# Altium PCB Fri3D_2020_02.PcbDoc (part 2 of 3)
Units mm, origin at the board's own origin, x right, y up, seen from the top; angles counter-clockwise.
Board outline 134.73 x 117.95 mm, 2 copper layers (Top Layer, Bottom Layer), stack 1.571 mm thick; 118 components, 89 nets, 476 pads, 207 vias.
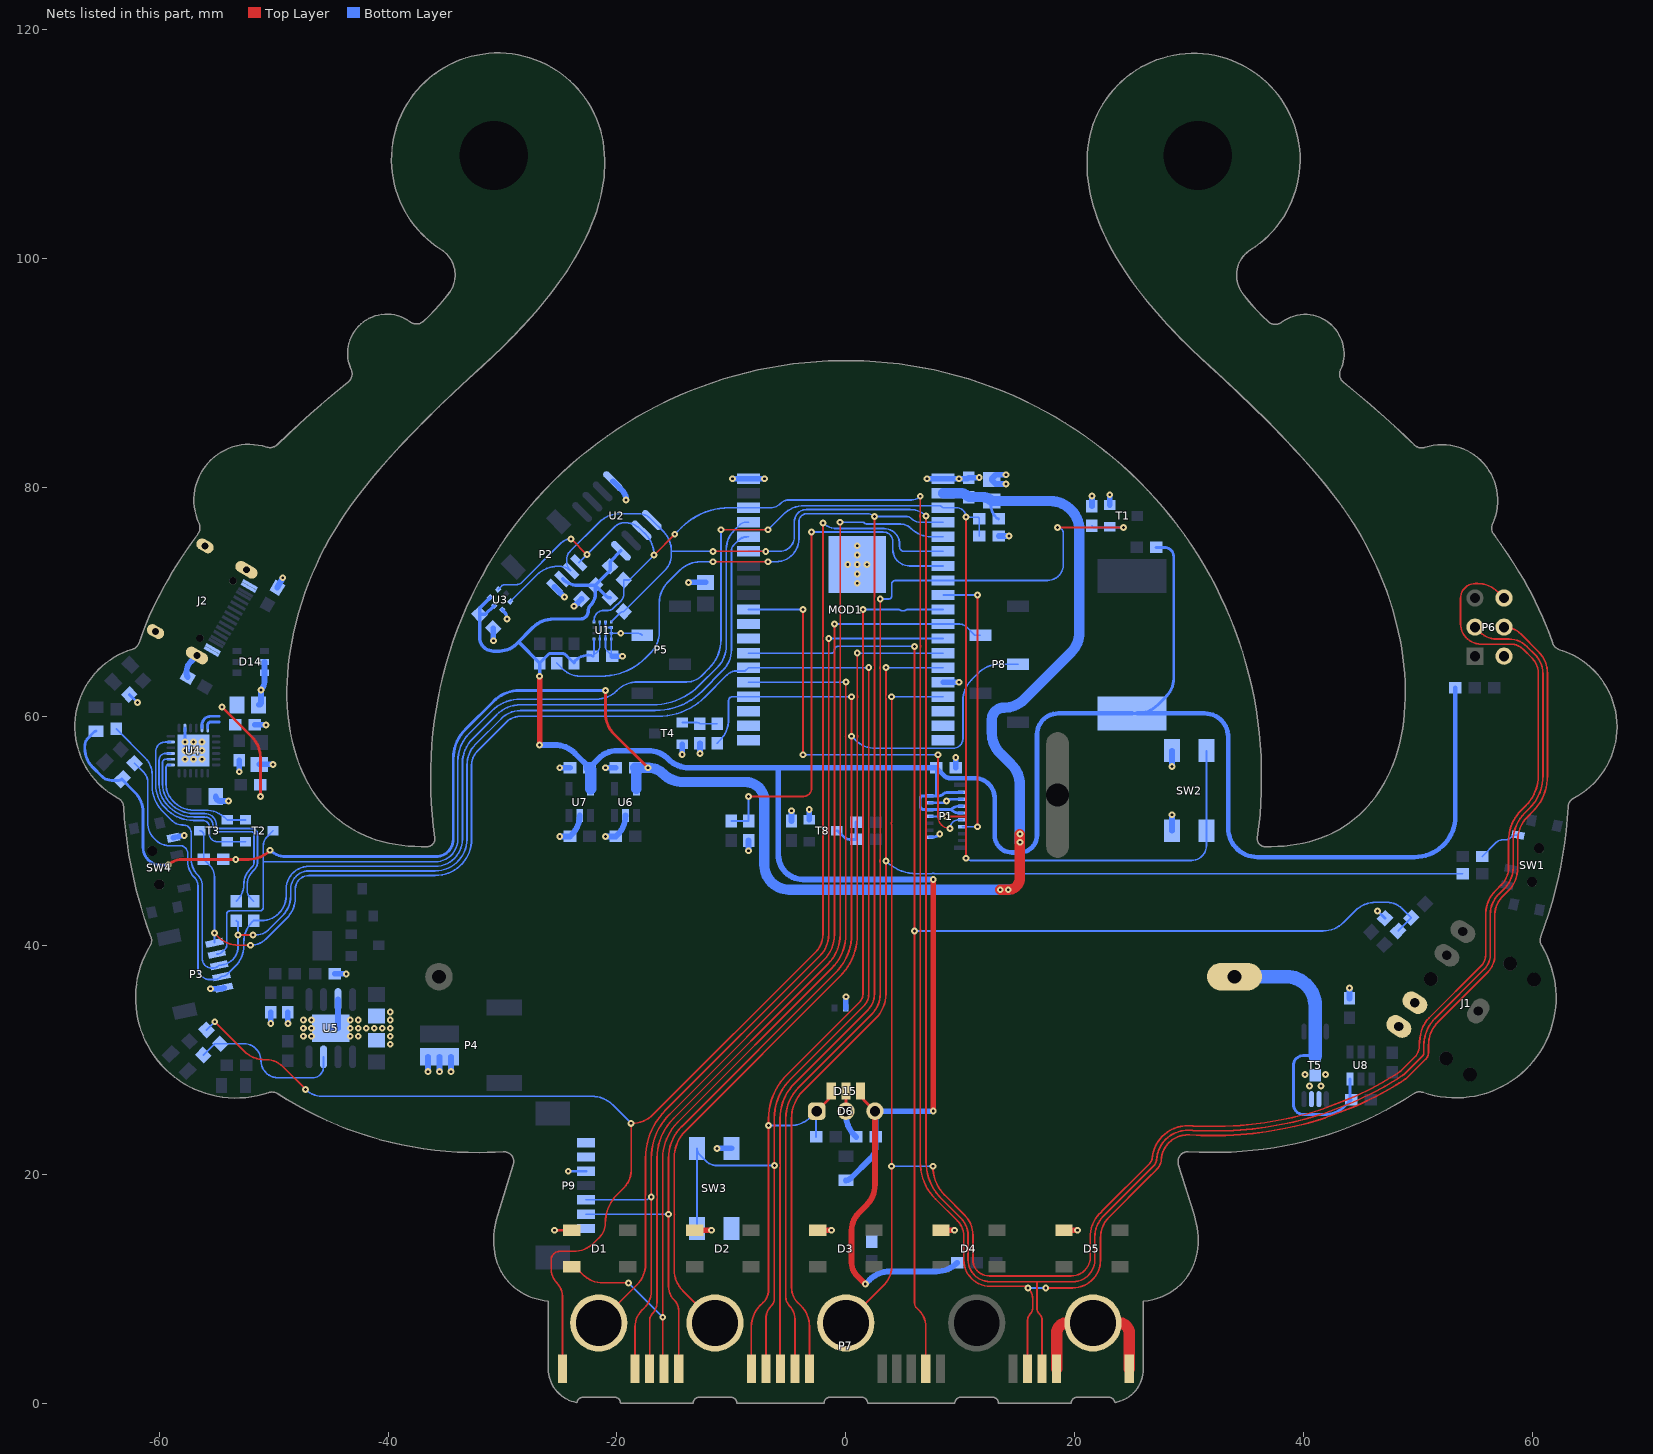
[diagram p2: the nets of this part, all layers, seen from the top]

## Via types
v1: diameter 0.6, hole 0.25, Top Layer to Bottom Layer, tented top, 207 vias

## Nets (pads, with @x,y where several pads share a name; then routed paths per layer and width w, separated by ;. In a path a pad name is that pad's centre, name@x,y a point inside that pad or via, vN(x,y) a via of type N, cw(c..) or ccw(c..) an arc to the next point about the centre after c; other vN are vias at no path point)
3V3_AUX: BUZ1.1 C2.1 C3.1 C4.1 C6.1 C7.1 C21.1 D6.3 D7.1 D15.3 P1.1 P1.2 P1.5 P1.6 P1.7 P2.2 R1.1 R2.1 R3.1 R9.1 R10.1 R33.1 R45.1 U1.2 U1.9 U1.10 U2.8 U3.1 U3.6 U7.5 | length 282.8
  Top Layer w0.25: D15.3@1.27,27.25 ccw(c2.429,27.25) 1.609,26.431 D6.3@2.54,25.5
  Top Layer w0.5: v1(-26.75,57.5) v1(-26.75,63.5) ; v1(1.7,10.4) 0.98,11.12 cw(c2.138,12.278) 0.5,12.278 0.5,15.067 cw(c2.7,15.067) 1.144,16.622 1.796,17.274 ccw(c0,19.07) 2.54,19.07 D6.3@2.54,25.5 ; v1(7.631,25.5) v1(7.631,45.75)
  Bottom Layer w0.15: C2.1@-22.1,65.25 ccw(c-23.549,66.699) -22.053,65.299 ccw(c-22.18,65.426) C2.1@-22.044,65.309 ; C2.1@-22.043,65.308 -21.701,65.65 ccw(c-22.185,66.134) -21.5,66.134 U1.9@-21.5,66.75 U1.2@-21.5,68.25 ; C2.1@-22,65.426 U1.10@-22,66.75
  Bottom Layer w0.25: R2.1@-26.75,64.65 -26.006,65.394 cw(c-25.75,65.138) -25.755,65.5 ccw(c-25.75,65.8) -25.75,65.5 -25.45,65.5 -24.85,65.5 cw(c-24.85,64.896) -24.423,65.323 R3.1@-23.75,64.65 -23.656,64.848 cw(c-22.453,63.644) -22.286,65.338 C2.1@-22.1,65.25 ; C4.1@7.9,55.5 7.9,53.05 ; P1.7@10.188,51.55 9.905,51.55 cw(c9.905,52.574) 9.181,51.85 ; P1.5@10.188,52.15 9.905,52.15 ccw(c9.905,51.126) 9.181,51.85 ; P1.1@10.188,53.35 8.862,53.35 ccw(c8.862,52.838) 8.5,53.2 cw(c8.138,53.562) 8.138,53.05 7.9,53.05 ; BUZ1.1@25,60.25 25.448,60.25 ccw(c25.448,62.79) 27.244,60.994 28,61.75 ccw(c26.437,63.313) 28.647,63.313 28.647,73.95 ccw(c27.847,73.95) 27.847,74.75 R1.1@27.1,74.75 ; 7.9,53.05 P1.2@7.312,53.05 6.736,53.05 ccw(c6.736,52.814) 6.5,52.814 6.5,52.163 ccw(c6.813,52.163) 6.813,51.85 P1.6@7.312,51.85 9.181,51.85
  Bottom Layer w0.3: U3.1@-31.084,70.377 -32.001,69.46 C3.1@-32.001,68.901 ; U3.6@-30.73,69.67 -31.499,68.901 C3.1@-32.001,68.901 ; -28.6,66.5 R2.1@-26.75,64.65 v1(-26.75,63.5) ; P2.2@-24.75,72 ccw(c-23.425,73.325) -23.425,71.451 C6.1@-21.899,71.451 ; R9.1@-20.601,70.351 cw(c-20.601,70.828) -20.939,70.491 C6.1@-21.899,71.451 ; U2.8@-19.65,74.456 -20.601,73.505 R10.1@-20.601,73.101 -20.601,72.749 C6.1@-21.899,71.451 ; C3.1@-32.001,68.901 -32.001,66.901 ccw(c-30.8,66.901) -30.8,65.7 -30.249,65.7 ccw(c-30.249,67.749) -28.8,66.3 -27.344,67.756 cw(c-25.548,65.96) -25.548,68.5 -23.202,68.5 ccw(c-23.202,69.202) -22.5,69.202 -22.5,69.217 cw(c-21.817,69.217) -22.3,69.7 ccw(c-23.268,70.668) -21.899,70.668 C6.1@-21.899,71.451
  Bottom Layer w0.4: C4.1@7.9,55.5 8.582,54.818 ccw(c9.108,55.343) 9.108,54.6 11.234,54.6 cw(c11.234,52.834) 13,52.834 13,49.6 ccw(c14.5,49.6) 14.5,48.1 15.2,48.1 ccw(c15.2,49.6) 16.7,49.6 16.7,58.4 cw(c18.55,58.4) 18.55,60.25 BUZ1.1@25,60.25 ; BUZ1.1@25.448,60.25 31.35,60.25 cw(c31.35,58.2) 33.4,58.2 33.4,50.242 ccw(c35.94,50.242) 35.94,47.702 49.695,47.702 ccw(c49.695,51.257) 53.25,51.257 R45.1@53.25,62.5
  Bottom Layer w0.5: v1(-26.75,57.5) -25.452,57.5 cw(c-25.452,54.96) -23.656,56.756 C21.1@-22.4,55.5 -21.563,56.337 cw(c-19.963,54.737) -19.963,57 -17.302,57 cw(c-17.302,54.46) -15.506,56.256 -15.494,56.244 ccw(c-13.698,58.04) -13.698,55.5 -5.9,55.5 ; D7.1@0,19.45 ccw(c0,20.034) 0.413,19.621 2.181,21.389 ccw(c1.169,22.401) 2.6,22.401 C7.1@2.6,23.25 2.6,25.4 D6.3@2.5,25.5 ; v1(1.7,10.4) 2.056,10.756 cw(c3.852,8.96) 3.852,11.5 7.918,11.5 ccw(c7.918,14.04) 9.714,12.244 R33.1@9.72,12.25 ; D6.3@2.54,25.5 v1(7.631,25.5) ; v1(7.631,45.75) -3.75,45.75 cw(c-3.75,47.9) -5.9,47.9 -5.9,55.5 ; C4.1@7.9,55.5 -5.9,55.5
  Bottom Layer w1: C21.1@-22.4,55.5 cw(c-22.641,55.259) -22.3,55.259 U7.5@-22.3,53.675
3V3_ESP: C9.1 C10.1 C19.1 D8.1 D9.1 MOD1.2 R7.1 R8.1 U6.5 | length 171.1
  Top Layer w0.25: v1(-59.2,47) cw(c-57.993,45.793) -57.993,47.5 v1(-53.3,47.5) -52.152,47.5 ccw(c-52.152,50.04) -50.356,48.244 v1(-50.3,48.3) ; v1(-21,62.25) -21,60.256 ccw(c-18.46,60.256) -20.256,58.46 v1(-17.296,55.5)
  Top Layer w0.9: v1(13.493,44.85) v1(14.193,44.85) ccw(c14.193,45.857) 15.2,45.857 v1(15.2,49) v1(15.2,49.7)
  Bottom Layer w0.25: D9.1@-65.5,58.7 ccw(c-65.5,58.44) -65.684,58.624 -66.176,58.132 ccw(c-65.394,57.35) -66.5,57.35 -66.5,57.25 ccw(c-64.086,57.25) -65.793,55.543 -65,54.75 ccw(c-64.166,55.584) -64.166,54.405 -63.506,54.405 ccw(c-63.506,54.756) D8.1@-63.258,54.508 -62.144,53.394 cw(c-63.94,51.598) -61.4,51.598 -61.4,48.54 ccw(c-59.86,48.54) -59.86,47 v1(-59.2,47) ; R7.1@-54.4,47.5 v1(-53.3,47.5) ; v1(-50.3,48.3) ccw(c-48.944,49.656) -48.944,47.738 -35.826,47.738 ccw(c-35.826,49.264) -34.3,49.264 -34.3,56.299 cw(c-30.675,56.299) -33.238,58.862 -30.795,61.305 cw(c-28.513,59.023) -28.513,62.25 v1(-21,62.25) ; C10.1@12.75,78.8 12.664,78.606 ccw(c14.339,78.523) 13.153,77.337 R8.1@13.35,77.25
  Bottom Layer w0.9: U6.5@-18.3,53.675 -18.3,55.259 ccw(c-18.641,55.259) C19.1@-18.4,55.5 v1(-17.296,55.5) ; v1@-17.207,55.5 cw(c-17.207,53.793) -16,55 -15.994,54.994 ccw(c-14.198,56.79) -14.198,54.25 -8.75,54.25 cw(c-8.75,52.62) -7.12,52.62 -7.12,47.02 ccw(c-4.95,47.02) -4.95,44.85 v1(13.493,44.85) v1(14.193,44.85) ; MOD1.2@8.5,79.488 9.934,79.488 cw(c9.934,78.334) C9.1@10.75,79.15 11.905,79.15 cw(c11.905,77.955) C10.1@12.75,78.8 17.86,78.8 cw(c17.86,76.26) 20.4,76.26 20.4,67.352 cw(c17.86,67.352) 19.656,65.556 15.594,61.494 cw(c13.798,63.29) 13.798,60.75 ccw(c13.798,59.702) 12.75,59.702 12.75,58.552 ccw(c15.29,58.552) 13.494,56.756 14.456,55.794 cw(c12.66,53.998) 15.2,53.998 v1(15.2,49.7) v1(15.2,49)
3V3_USB: C13.1 C14.2 R11.1 U4.5 U4.6 | length 13.7
  Top Layer w0.25: v1(-54.5,60.8) -51.894,58.194 cw(c-53.69,56.398) -51.15,56.398 v1(-51.15,53)
  Bottom Layer w0.25: U4.5@-56.25,58.975 -56.25,59.25 cw(c-55.5,59.25) -55.5,60 -54.75,60 ; U4.6@-55.75,58.975 -55.75,59.25 cw(c-55.5,59.25) -55.5,59.5 -54.75,59.5 ; v1(-51.15,53) R11.1@-51.15,54
ACC.INT1: R46.2 SW1.1 | length 3.8
  Bottom Layer w0.15: R46.2@55.6,47.75 56.836,48.986 cw(c57.369,48.454) 57.369,49.207 57.625,49.207 ccw(c57.625,49.823) 58.061,49.387 cw(c58.64,48.808) 58.64,49.627 SW1.1@58.713,49.627
BAT.MON: MOD1.7 R12.2 R17.1 | length 45.4
  Top Layer w0.15: v1(-8.5,53) -3.704,53 ccw(c-3.704,53.704) -3,53.704 -3,63 v1(-3,76.1)
  Bottom Layer w0.15: R12.2@-10,50.85 R17.1@-8.5,50.85 v1(-8.5,53) ; v1(-3,76.1) 3.277,76.1 cw(c3.277,75.277) 4.1,75.277 4.1,74.6 ccw(c5.562,74.6) 5.562,73.138 MOD1.7@8.5,73.138
C\H\R\G\: R19.2 R24.2 U5.7 | length 14
  Bottom Layer w0.15: R24.2@-56.149,30.399 -55.149,31.399 R19.2@-54.649,31.399 -52.599,31.399 cw(c-52.599,29.9) -51.1,29.9 ccw(c-49.627,29.9) -49.627,28.427 -46.452,28.427 ccw(c-46.582,29.365) -45.635,29.365 U5.7@-45.635,30.25
CHARGER.E\N\: R18.2 R28.1 T4.1 | length 3.1
  Bottom Layer w0.15: T4.1@-14.3,59.45 -12.992,59.45 cw(c-12.992,59.108) R28.1@-12.75,59.35 R18.2@-11.25,59.35
CO2.HD: P9.7
CO2.PWM: P9.1
CO2.VO: P9.6
CP2102.DTR: T2.1 T3.2 U4.23 | length 15.6
  Bottom Layer w0.15: U4.23@-58.975,57.75 -59.459,57.75 ccw(c-59.459,56.909) -60.3,56.909 -60.3,54.052 ccw(c-57.338,54.052) -59.433,51.958 ccw(c-57,54.226) -57,50.9 -56.2,50.9 cw(c-56.2,50.3) -55.6,50.3 -55.6,49.7 ccw(c-54.95,49.7) -54.95,49.05 T2.1@-52.45,49.05
CP2102.RTS: T2.2 T3.1 U4.19 | length 10.4
  Bottom Layer w0.15: U4.19@-58.975,55.75 -59.15,55.75 ccw(c-59.15,55.5) -59.4,55.5 -59.4,54.052 ccw(c-57.37,54.052) -58.805,52.616 ccw(c-56.985,54.237) -56.985,51.8 -55.952,51.8 cw(c-55.952,49.26) -54.156,51.056 T3.1@-54.05,50.95
  Bottom Layer w0.158: T3.1@-54.05,50.95 T2.2@-52.45,50.95
CP2102.RXD: R41.1 U4.20 | length 19.8
  Bottom Layer w0.15: U4.20@-58.975,56.25 -59.419,56.25 ccw(c-59.419,55.969) -59.7,55.969 -59.7,54.052 ccw(c-57.37,54.052) -59.024,52.41 ccw(c-56.985,54.237) -56.984,51.5 -56,51.5 cw(c-56,50.5) -55,50.5 ccw(c-54.7,50.5) -54.7,50.2 -51.9,50.2 cw(c-51.9,49.7) -51.4,49.7 -51.4,47.283 cw(c-52.383,47.283) -51.688,46.588 cw(c-52.383,47.283) -51.689,46.587 ; R41.1@-51.75,43.85 -52.017,44.117 cw(c-51.334,44.8) -52.3,44.8 -52.3,45.3 cw(c-50.669,45.3) -51.821,46.454 -51.689,46.587
CP2102.TXD: R40.1 U4.21 | length 20.5
  Bottom Layer w0.15: U4.21@-58.975,56.75 -59.438,56.75 ccw(c-59.438,56.188) -60,56.188 -60,54.052 ccw(c-57.37,54.052) -59.242,52.205 ccw(c-56.985,54.237) -56.984,51.2 -56,51.2 cw(c-56,50.5) -55.3,50.5 ccw(c-54.7,50.5) -54.7,49.9 -51.9,49.9 cw(c-51.9,49.7) -51.7,49.7 -51.7,47.283 cw(c-52.383,47.283) -51.9,46.8 -52.034,46.666 ccw(c-50.669,45.3) -52.6,45.3 cw(c-54.531,45.3) -53.166,43.934 R40.1@-53.25,43.85
DNU_IO16: MOD1.27
DNU_IO17: MOD1.28
DNU_SPI.CLK: MOD1.20
DNU_SPI.CS0: MOD1.19
DNU_SPI.D: MOD1.22
DNU_SPI.HD: MOD1.17
DNU_SPI.Q: MOD1.21
DNU_SPI.WP: MOD1.18
ESP.IO0: MOD1.25 P3.5 P7.9 R7.2 SW3.1 T3.3 | length 162.2
  Top Layer w0.15: v1(-55.166,41.059) -54.851,40.744 ccw(c-53.055,42.54) -53.055,40 v1(-52,40) ; P7.9@-6.985,3 -6.985,7.329 cw(c-5.329,7.329) -6.5,8.5 ccw(c-7.104,9.104) -6.25,9.104 -6.25,11.986 v1(-6.25,20.75) -6.25,23.77 -6.25,24.09 ccw(c-6.75,24.25) -6.25,24.41 -6.25,24.868 cw(c-1.414,24.868) -4.834,28.288 1.562,34.684 ccw(c0.506,35.74) 2,35.74 v1(2,64.248)
  Bottom Layer w0.15: T3.3@-56.45,50 cw(c-56.45,49.65) -56.1,49.65 R7.2@-56.1,47.5 -55.572,46.972 cw(c-56.553,45.991) -55.166,45.991 v1(-55.166,41.059) P3.5@-55.166,40.206 ; v1(-52,40) ccw(c-52,41.931) -50.634,40.566 -48.844,42.356 ccw(c-50.64,44.152) -48.1,44.152 -48.1,44.9 cw(c-46.912,44.9) -46.912,46.088 -35.876,46.088 ccw(c-35.876,49.264) -32.7,49.264 -32.7,55.735 cw(c-30.974,55.735) -32.194,56.956 -29.661,59.489 cw(c-28.427,58.255) -28.427,60 -16.406,60 ccw(c-16.406,65.808) -12.299,61.701 -10.387,63.613 cw(c-9.538,62.765) -9.538,63.965 -8.783,63.965 MOD1.25@-8.5,64.248 v1(2,64.248) ; SW3.1@-13,15.25 SW3.1@-13,22.25 ccw(c-12.192,22.25) -12.763,21.678 -12.239,21.154 ccw(c-11.264,22.128) -11.264,20.75 v1(-6.25,20.75)
ESP.IO2: D1.4 MOD1.24 P7.5 | length 84.4
  Top Layer w0.15: D1.4@-23.95,11.9 cw(c-23.95,11.2) -23.455,11.695 -23.004,11.244 ccw(c-21.208,13.04) -21.208,10.5 v1(-19,10.5) ; P7.5@-15.875,3 cw(c-15.573,3.302) -16,3.302 v1(-16,7.5) -16,16.34 cw(c-15.5,16.5) -16,16.66 -16,21.385 cw(c-11.583,21.385) -14.706,24.508 -1.219,37.995 ccw(c-4.163,40.939) 0,40.939 0,58.09 cw(c0.5,58.25) 0,58.41 0,61.55 cw(c0.5,61.71) 0,61.87 v1(0,63)
  Bottom Layer w0.15: v1(-19,10.5) v1(-16,7.5) ; MOD1.24@-8.5,62.978 v1(0,63)
ESP.IO4: MOD1.26 P7.17 R35.2 R36.1 | length 124.6
  Top Layer w0.15: v1(6,66.111) 6,8.752 ccw(c6.632,8.752) 6.185,8.305 6.39,8.1 cw(c4.954,6.664) 6.985,6.664 P7.17@6.985,3
  Bottom Layer w0.15: MOD1.26@-8.5,65.518 -1.253,65.518 ccw(c-1.253,65.771) -1,65.771 cw(c-0.66,65.771) -0.66,66.111 v1(6,66.111) ; v1(6,41.25) 41.698,41.25 ccw(c41.698,43.79) 43.494,41.994 44.506,43.006 cw(c46.302,41.21) 46.302,43.75 47.25,43.75 cw(c47.25,41.823) 48.612,43.186 R36.1@49.399,42.399 R35.2@48.25,41.25
ESP.IO5: MOD1.29 P1.9 | length 37.8
  Top Layer w0.15: v1(-3.75,56.644) v1(-3.75,69.328) ; v1(8.056,56.644) 8.056,51.244 ccw(c9.1,51.244) v1(9.1,50.2)
  Bottom Layer w0.15: MOD1.29@-8.5,69.328 v1(-3.75,69.328) ; v1(-3.75,56.644) v1(8.056,56.644) ; v1(9.1,50.2) cw(c9.85,50.2) 9.85,50.95 P1.9@10.188,50.95
ESP.IO12: MOD1.14 P7.12 R4.2 | length 120.6
  Top Layer w0.15: P7.12@-3.175,3 -3.175,6.693 ccw(c-5.715,6.693) -3.919,8.489 -4.186,8.756 cw(c-2.825,10.118) -4.75,10.118 -4.75,24.868 cw(c-1.414,24.868) -3.773,27.227 2.623,33.623 ccw(c0.506,35.74) 3.5,35.74 v1(3.5,47.358) 3.5,61.55 cw(c4,61.71) 3.475,61.71 cw(c4,61.71) 3.5,61.87 v1(3.5,64.248)
  Bottom Layer w0.15: v1(3.5,47.358) ccw(c6.174,50.032) 6.174,46.25 7.471,46.25 cw(c7.631,45.75) 7.791,46.25 R4.2@53.9,46.25 ; v1(3.5,64.248) MOD1.14@8.5,64.248
ESP.IO13: MOD1.16 P6.6 P7.13 | length 175.9
  Top Layer w0.15: P7.13@0,7 3.346,10.346 ccw(c1.767,11.925) 4,11.925 4,47.198 ccw(c3.5,47.358) 4,47.518 4,50.49 cw(c4.5,50.65) 3.975,50.65 cw(c4.5,50.65) 4,50.81 v1(4,61.71) ; v1(7.6,20.693) ccw(c11.204,20.693) 8.655,18.145 10.356,16.444 cw(c8.56,14.648) 11.1,14.648 11.1,12.52 ccw(c12.52,12.52) 12.52,11.1 19.7,11.1 ccw(c19.7,12.756) 21.356,12.756 21.356,14.703 cw(c24.29,14.514) 22.156,16.536 cw(c24.29,14.514) 22.211,16.592 22.498,16.88 26.505,20.886 ccw(c25.834,21.556) 26.752,21.319 ccw(c25.834,21.556) 26.782,21.556 cw(c27.963,21.344) 26.783,21.558 cw(c27.176,21.488) 26.783,21.56 26.784,21.566 ; 26.784,21.568 26.786,21.575 26.809,21.7 ; 26.809,21.701 26.82,21.764 cw(c27.214,21.692) 26.821,21.765 ; 26.821,21.767 cw(c28.517,21.453) 26.821,21.768 cw(c29.058,21.354) 26.848,21.893 cw(c28.014,21.61) 26.849,21.898 cw(c29.058,21.354) 26.903,22.084 cw(c29.058,21.354) 26.918,22.125 cw(c27.67,21.854) 26.918,22.126 cw(c29.058,21.354) 26.955,22.222 cw(c29.058,21.354) 26.982,22.283 ; 26.982,22.284 cw(c28.077,21.795) 26.983,22.286 26.989,22.299 ; 26.989,22.3 27.05,22.436 cw(c27.78,22.109) 27.051,22.438 27.067,22.474 cw(c27.797,22.147) 27.069,22.477 cw(c28.641,21.768) 27.069,22.479 cw(c29.143,21.543) 27.101,22.545 cw(c27.46,22.37) 27.101,22.547 cw(c29.143,21.543) 27.143,22.627 cw(c28.198,22.055) 27.143,22.628 cw(c29.143,21.543) 27.158,22.654 cw(c27.856,22.264) 27.159,22.657 cw(c29.143,21.543) 27.221,22.76 cw(c27.559,22.547) 27.222,22.762 cw(c29.143,21.543) 27.238,22.786 cw(c27.908,22.35) 27.239,22.789 cw(c29.143,21.543) 27.267,22.83 cw(c28.69,21.855) 27.269,22.833 27.29,22.863 cw(c27.949,22.41) 27.291,22.865 27.328,22.919 cw(c28.316,22.238) 27.33,22.922 ; 27.331,22.922 cw(c29.202,21.628) 27.39,23.004 cw(c28.028,22.521) 27.392,23.007 cw(c29.202,21.628) 27.495,23.133 cw(c28.396,22.34) 27.497,23.135 27.564,23.211 cw(c28.164,22.682) 27.565,23.212 cw(c28.858,22.07) 27.568,23.215 cw(c29.27,21.706) 27.646,23.298 cw(c28.218,22.739) 27.648,23.301 cw(c29.27,21.706) 27.75,23.398 cw(c28.285,22.804) 27.751,23.399 cw(c29.27,21.706) 27.863,23.494 ; 27.864,23.494 cw(c28.606,22.551) 27.866,23.496 27.904,23.526 ; 27.905,23.527 28.026,23.622 ; 28.027,23.622 cw(c29.093,22.267) 28.03,23.625 cw(c29.433,21.834) 28.198,23.744 cw(c28.415,23.409) 28.199,23.745 cw(c29.433,21.834) 28.499,23.908 ; 28.499,23.908 28.654,23.979 cw(c29.151,22.887) 28.658,23.98 28.681,23.991 cw(c29.012,23.263) 28.682,23.991 cw(c29.622,21.92) 29.207,24.156 ; 29.211,24.157 29.228,24.16 cw(c29.449,22.981) 29.232,24.161 29.406,24.193 cw(c29.627,23.014) 29.407,24.194 ; 29.41,24.194 cw(c29.826,21.957) 29.821,24.232 ; 29.824,24.232 29.918,24.233 cw(c29.929,21.958) 30.073,24.228 ; 30.075,24.228 cw(c30.025,23.43) 30.076,24.228 30.327,24.212 30.673,24.19 30.761,24.188 cw(c30.734,22.988) 30.764,24.188 ; 30.766,24.188 30.842,24.186 cw(c30.824,23.386) 30.844,24.186 ; 30.845,24.186 31.038,24.181 31.047,24.181 33.157,24.181 33.847,24.217 34.445,24.254 35.479,24.348 36.604,24.494 38.26,24.788 39.037,24.95 39.618,25.095 40.199,25.241 41.353,25.583 41.584,25.663 44.057,26.606 44.714,26.894 45.794,27.423 46.852,27.997 47.552,28.415 cw(c48.169,27.386) 47.556,28.418 47.637,28.466 47.921,28.637 48.268,28.865 cw(c48.928,27.863) 48.272,28.868 48.386,28.943 ; 48.388,28.944 cw(c49.046,27.94) 48.39,28.945 cw(c49.635,27.041) 48.43,28.971 cw(c49.067,27.953) 48.433,28.973 cw(c49.635,27.041) 48.49,29.007 49.77,30.287 ccw(c48.536,31.248) 50.1,31.248 cw(c53.84,31.248) 50.227,32.214 cw(c52.74,31.845) 50.944,33.641 55.504,38.201 cw(c55.789,37.92) 55.505,38.202 ; 55.507,38.204 ccw(c54.56,39.152) 55.728,38.496 55.822,38.703 ccw(c54.56,39.152) 55.866,38.853 ccw(c54.56,39.152) 55.9,39.152 55.9,42.693 cw(c58.807,42.693) 55.903,42.828 cw(c58.807,42.693) 56.028,43.545 cw(c58.807,42.693) 56.316,44.191 cw(c58.807,42.693) 56.753,44.75 ; 56.753,44.75 57.272,45.269 ; 57.272,45.269 ccw(c55.76,46.783) 57.669,45.817 ccw(c55.76,46.783) 57.859,46.368 ccw(c55.76,46.783) 57.9,46.783 57.9,49.148 cw(c61.64,49.148) 57.911,49.438 cw(c61.64,49.148) 58.02,50.086 cw(c61.64,49.148) 58.242,50.711 cw(c61.64,49.148) 58.594,51.318 cw(c61.64,49.148) 58.995,51.792 cw(c61.64,49.148) 58.996,51.793 59.443,52.24 ; P6.6@57.5,70.33 56.974,70.856 ccw(c55.178,69.06) 55.178,71.6 55,71.6 ccw(c55,70.3) 53.7,70.3 53.7,68.1 ccw(c55.499,68.1) 55.499,66.301 58.091,66.301 cw(c58.091,64.591) 58.573,66.231 cw(c57.942,64.542) 59.168,65.865 59.984,65.049 cw(c58.569,63.734) 60.5,63.732 60.5,54.792 cw(c56.896,54.79) 60.298,53.601 60.112,53.163 cw(c56.896,54.79) 59.974,52.916 cw(c56.896,54.79) 59.93,52.845 cw(c56.896,54.79) 59.886,52.777 cw(c56.896,54.79) 59.445,52.242 59.443,52.24
  Bottom Layer w0.15: v1(4,20.693) v1(7.6,20.693) ; v1(4,61.71) MOD1.16@8.5,61.71
ESP.IO14: MOD1.13 P7.7 | length 73.7
  Top Layer w0.15: P7.7@-11.43,7 -14.256,9.826 cw(c-12.46,11.622) -15,11.622 -15,15.637 -15,16.34 ccw(c-15.5,16.5) -15,16.66 -15,17.5 -15,21.385 cw(c-11.583,21.385) -13.999,23.801 -0.512,37.288 ccw(c-4.163,40.939) 1,40.939 1,58.09 ccw(c0.5,58.25) 1,58.41 1,61.55 ccw(c0.5,61.71) 1,61.87 v1(1,65.518)
  Bottom Layer w0.15: v1(1,65.518) MOD1.13@8.5,65.518
ESP.IO15: MOD1.23 P7.6 P8.3 P9.2 R18.1 | length 107.8
  Top Layer w0.15: P7.6@-14.605,3 -14.605,8.046 ccw(c-15.954,8.046) -15,9 cw(c-13.793,10.207) -15.5,10.207 v1(-15.5,16.5) -15.5,21.385 cw(c-11.583,21.385) -14.353,24.154 -0.866,37.641 ccw(c-4.163,40.939) 0.5,40.939 v1(0.5,61.71)
  Bottom Layer w0.15: P9.2@-22.7,16.5 v1(-15.5,16.5) ; R18.1@-11.25,57.65 -10.994,57.906 ccw(c-12.79,59.702) -10.25,59.702 -10.25,61.354 cw(c-9.894,61.354) -9.894,61.71 MOD1.23@-8.5,61.71 v1(0.5,61.71) ; v1(0.5,58.25) 0.806,57.944 ccw(c2.602,59.74) 2.602,57.2 9.375,57.2 ccw(c9.375,58.05) 10.225,58.05 10.225,61.373 cw(c12.765,61.373) 10.969,63.169 11.596,63.796 cw(c13.392,62) 13.392,64.54 P8.3@15.04,64.54
ESP.IO25: D6.1 D15.1 MOD1.10 P7.8 R13.2 | length 86.1
  Top Layer w0.15: P7.8@-8.255,3 -8.255,6.693 cw(c-5.715,6.693) -7.511,8.489 -7.244,8.756 ccw(c-8.436,9.949) -6.75,9.949 -6.75,20.101 -6.75,20.25 -6.75,20.59 cw(c-6.25,20.75) -6.75,20.91 -6.75,24.868 cw(c-1.414,24.868) -5.187,28.641 1.209,35.037 ccw(c0.506,35.74) 1.5,35.74 1.5,63.67 1.5,64.088 cw(c2,64.248) 1.475,64.248 cw(c2,64.248) 1.5,64.408 1.5,65.358 ccw(c1,65.518) 1.5,65.678 v1(1.5,69.328)
  Top Layer w0.25: D6.1@-2.54,25.5 -1.609,26.431 ccw(c-2.429,27.25) D15.1@-1.27,27.25
  Bottom Layer w0.15: v1(-6.75,24.25) -4.842,24.25 ccw(c-4.842,26.79) -3.046,24.994 D6.1@-2.54,25.5 ; R13.2@-2.6,23.25 -2.6,25.258 cw(c-2.258,25.258) D6.1@-2.5,25.5 ; v1(1.5,69.328) 4.675,69.328 ccw(c5,69.74) 5.325,69.328 MOD1.10@8.5,69.328
ESP.IO26: MOD1.11 P7.3 P8.2 P9.3 | length 90.6
  Top Layer w0.15: P7.3@-18.415,3 -18.415,6.664 cw(c-16.384,6.664) -17.82,8.1 -17.615,8.305 ccw(c-19.1,9.79) -17,9.79 v1(-17,18) -17,21.385 cw(c-11.583,21.385) -15.413,25.215 -1.926,38.702 ccw(c-4.163,40.939) -1,40.939 -1,66.628 ccw(c-1.5,66.788) -1,66.948 v1(-1,68.058)
  Bottom Layer w0.15: P9.3@-22.7,17.75 -17.604,17.75 ccw(c-17.604,18.604) v1(-17,18) ; v1(-1,68.058) MOD1.11@8.5,68.058 9.944,68.058 cw(c9.944,67.21) 10.544,67.81 11.274,67.08 P8.2@11.75,67.08
ESP.IO27: MOD1.12 P7.2 | length 77.6
  Top Layer w0.15: P7.2@-21.59,7 -18.244,10.346 ccw(c-20.04,12.142) -17.5,12.142 -17.5,16.5 -17.5,17.84 cw(c-17,18) -17.5,18.16 -17.5,21.385 cw(c-11.583,21.385) -15.767,25.569 -2.28,39.056 ccw(c-4.163,40.939) -1.5,40.939 v1(-1.5,66.788)
  Bottom Layer w0.15: v1(-1.5,66.788) MOD1.12@8.5,66.788
ESP.IO32: MOD1.8 P7.11 R5.1 T1.1 | length 100.9
  Top Layer w0.15: P7.11@-4.445,3 -4.445,7.329 ccw(c-6.101,7.329) -4.93,8.5 cw(c-4.157,9.273) -5.25,9.273 -5.25,24.868 cw(c-1.414,24.868) -4.127,27.581 2.27,33.977 ccw(c0.506,35.74) 3,35.74 3,47.198 cw(c3.5,47.358) 3,47.518 3,64.088 cw(c3.5,64.248) 2.975,64.248 cw(c3.5,64.248) 3,64.408 v1(3,70.25) ; v1(18.5,76.5) v1(24.25,76.5)
  Bottom Layer w0.15: v1(3,70.25) 3.75,70.25 ccw(c3.75,70.5) 4,70.5 4,71.53 cw(c4.338,71.53) 4.338,71.868 MOD1.8@8.5,71.868 17.628,71.868 ccw(c17.628,73.24) 19,73.24 19,76 ccw(c18.5,76) v1(18.5,76.5) ; R5.1@21.5,76.65 ccw(c21.65,76.65) 21.65,76.5 v1(24.25,76.5)
ESP.IO33: MOD1.9 P1.11 | length 24.6
  Top Layer w0.15: v1(11.5,50.35) v1(11.5,70.6)
  Bottom Layer w0.15: MOD1.9@8.5,70.598 11.498,70.598 v1(11.5,70.6) ; P1.11@10.188,50.35 v1(11.5,50.35)
ESP.IO34: MOD1.6 P7.1 R19.1 | length 138
  Top Layer w0.15: v1(-55.134,33.318) -52.56,30.744 ccw(c-50.764,32.54) -50.764,30 -50.626,30 cw(c-50.626,28.006) -49.217,29.417 cw(c-50.626,28.006) -49.216,29.416 v1(-47.2,27.4) ; P7.1@-24.765,3 -24.765,9.329 ccw(c-26.421,9.329) -25.25,10.5 cw(c-24.043,11.707) -25.75,11.707 -25.75,12.5 cw(c-25,12.5) -25,13.25 -23.802,13.25 ccw(c-23.802,15.79) -22.006,13.994 -21.531,14.469 ccw(c-22.79,15.727) -21.01,15.727 cw(c-17.479,15.727) -19.976,18.224 -19.368,18.832 ccw(c-20.835,20.298) -18.761,20.298 v1(-18.761,24.439) -18.656,24.439 ccw(c-18.656,26.979) -16.86,25.183 -2.633,39.409 ccw(c-4.163,40.939) -2,40.939 -2,66.628 cw(c-1.5,66.788) -2,66.948 v1(-2,76.9)
  Bottom Layer w0.15: R19.1@-55.851,32.601 v1(-55.134,33.318) ; v1(-47.2,27.4) ccw(c-45.756,28.844) -45.756,26.802 -22.176,26.802 cw(c-22.176,24.262) -20.38,26.058 v1(-18.761,24.439) ; v1(-2,76.9) ccw(c-0.793,78.107) -0.793,76.4 3.334,76.4 cw(c3.334,75.04) 4.693,75.04 4.693,74.807 ccw(c5.092,74.807) 5.092,74.408 MOD1.6@8.5,74.408
ESP.IO36: MOD1.4 P7.10 R39.2 | length 121.3
  Top Layer w0.15: v1(-11.6,73.5) v1(-6.8,73.5) ; P7.10@-5.715,3 -5.75,3.035 -5.75,20.022 -5.75,20.59 ccw(c-6.25,20.75) -5.75,20.91 -5.75,24.868 cw(c-1.414,24.868) -4.48,27.934 1.916,34.33 ccw(c0.506,35.74) 2.5,35.74 2.5,64.088 ccw(c2,64.248) 2.5,64.408 2.5,70.09 cw(c3,70.25) 2.5,70.41 v1(2.5,77.448)
  Bottom Layer w0.15: R39.2@-25.25,64.65 -24.73,64.13 ccw(c-23.209,65.652) -23.209,63.5 -21.39,63.5 ccw(c-21.39,69.028) -17.481,65.119 -17.044,65.556 ccw(c-18.84,67.352) -16.3,67.352 -16.3,69.905 cw(c-13.76,69.905) -15.556,71.701 -14.501,72.756 cw(c-12.705,70.96) -12.705,73.5 v1(-11.6,73.5) ; v1(-6.8,73.5) -6.12,73.5 ccw(c-6.12,75.52) -4.1,75.52 -4.1,77 cw(c-3.4,77) -3.4,77.7 1.891,77.7 cw(c1.891,76.839) v1(2.5,77.448) 5.343,77.448 cw(c5.343,76.943) 5.7,77.3 ccw(c6.55,78.15) 6.55,76.948 MOD1.4@8.5,76.948
ESP.IO39: MOD1.5 P7.4 | length 89.7
  Top Layer w0.15: P7.4@-17.145,3 -17.145,7.209 cw(c-16.309,7.209) -16.9,7.8 ccw(c-17.866,8.766) -16.5,8.766 -16.5,17.406 -16.5,17.84 ccw(c-17,18) -16.5,18.16 -16.5,18.839 -16.5,21.385 cw(c-11.583,21.385) -15.06,24.862 -1.573,38.348 ccw(c-4.163,40.939) -0.5,40.939 -0.5,62.84 cw(c0,63) -0.5,63.16 -0.5,67.898 ccw(c-1,68.058) -0.498,68.21 v1(-0.498,76.948)
  Bottom Layer w0.15: v1(-0.498,76.948) 1.484,76.948 cw(c1.484,76.784) 1.6,76.9 ccw(c1.841,77.141) 1.841,76.8 4.765,76.8 cw(c4.765,75.509) 5.678,76.422 ccw(c7.474,78.218) 7.474,75.678 MOD1.5@8.5,75.678
ESP.RESET: C8.1 MOD1.3 P1.8 P3.4 R8.2 SW2.1 T2.3 | length 165.9
  Top Layer w0.15: v1(-10.916,76.3) v1(-6.8,76.3) ; v1(8.8,51.25) 10.5,51.25 ; v1(10.5,47.6) 10.5,51.25 ; v1(10.5,77.4) 10.5,51.25
  Bottom Layer w0.15: P3.4@-54.958,39.228 ccw(c-54.958,39.919) -54.47,39.43 -54.2,39.7 ccw(c-54.441,39.941) -54.1,39.941 -54.1,42.7 cw(c-53.8,42.7) -53.8,43 -51.19,43 ccw(c-51.19,43.29) -50.9,43.29 -50.9,47.288 ; -50.56,49.49 ccw(c-49.74,48.67) -50.9,48.67 -50.9,47.288 ; -50.56,49.49 T2.3@-50.05,50 ; v1(-10.916,76.3) -10.916,66.692 cw(c-14.465,66.692) -11.956,64.183 -12.595,63.544 cw(c-13.907,64.856) -13.907,63 -18.198,63 ccw(c-18.198,60.46) -19.994,62.256 -20.006,62.244 cw(c-21.802,64.04) -21.802,61.5 -28.427,61.5 ccw(c-28.427,57.944) -30.941,60.459 -32.904,58.496 ccw(c-30.498,56.091) -33.9,56.091 -33.9,49.264 cw(c-35.876,49.264) -35.876,47.288 -50.9,47.288 ; v1(-6.8,76.3) -5.444,77.656 cw(c-3.648,75.86) -3.648,78.4 8.061,78.4 cw(c8.061,77.779) MOD1.3@8.5,78.218 9.682,78.218 cw(c9.682,77.4) v1(10.5,77.4) 11.5,77.4 cw(c11.5,77.25) R8.2@11.65,77.25 C8.1@11.65,75.75 ; P1.8@7.312,51.25 v1(8.8,51.25) ; v1(10.5,47.6) ccw(c10.983,48.083) 10.983,47.4 30.19,47.4 ccw(c30.19,48.71) 31.5,48.71 SW2.1@31.5,50 SW2.1@31.5,57
ESP.RXD0: MOD1.34 P3.3 R15.2 R40.2 | length 101
  Top Layer w0.15: v1(-53.1,40.9) v1(-51.8,40.9)
  Bottom Layer w0.15: R15.2@-63.75,58.9 -61.21,56.359 cw(c-62.681,54.888) -60.6,54.888 -60.6,53.885 ccw(c-57.539,53.883) -59.756,51.773 -58.825,50.842 ccw(c-58,51.667) -58,50.5 -57.883,50.5 cw(c-57.883,49.817) -57.4,50.3 cw(c-57.883,49.817) -57.2,49.817 -57.2,47.549 ccw(c-55.151,47.549) -56.6,46.1 cw(c-57.519,45.181) -56.219,45.181 -56.219,38.781 ccw(c-55.467,38.781) -55.996,38.246 ccw(c-55.402,38.84) -55.402,38 -55.354,38 ccw(c-55.354,38.854) P3.3@-54.75,38.25 ccw(c-54.75,39.9) -53.1,39.9 v1(-53.1,40.9) -53.1,42 R40.2@-53.25,42.15 ; v1(-51.8,40.9) -51.5,40.9 ccw(c-51.5,42.349) -50.476,41.324 -49.207,42.593 ccw(c-50.914,44.3) -48.5,44.3 -48.5,44.9 cw(c-46.912,44.9) -46.912,46.488 -35.876,46.488 ccw(c-35.876,49.264) -33.1,49.264 -33.1,55.746 cw(c-30.555,55.746) -32.354,57.546 -30.088,59.812 cw(c-28.427,58.151) -28.427,60.5 -16.656,60.5 ccw(c-16.656,66.308) -12.549,62.201 -10.744,64.006 ccw(c-12.54,65.802) -10,65.802 -10,74.5 cw(c-9.396,74.5) -9.823,74.927 -9.476,75.274 cw(c-8.5,74.297) MOD1.34@-8.5,75.678 -8.82,75.678 ccw(c-8.82,75.07) MOD1.34@-9.25,75.5
ESP.TXD0: MOD1.35 P3.2 R14.2 R41.2 | length 98.6
  Bottom Layer w0.15: R14.2@-62.149,55.899 -61.301,55.051 cw(c-62.029,54.324) -61,54.324 -61,50.734 ccw(c-58.969,50.734) -60.288,49.19 ccw(c-59.105,50.372) -59.105,48.7 -58.183,48.7 cw(c-58.183,48.017) -57.7,48.5 cw(c-58.183,48.017) -57.5,48.017 -57.5,47.349 ccw(c-55.451,47.349) -56.9,45.9 cw(c-57.615,45.185) -56.604,45.185 -56.604,37.911 ccw(c-55.832,37.911) -56.289,37.289 ccw(c-55.591,37.986) -55.591,37 -55.198,37 ccw(c-55.198,37.928) P3.2@-54.542,37.272 ccw(c-54.542,38.03) -54.006,37.494 -53.344,38.156 ccw(c-55.14,39.952) -52.6,39.952 -52.6,40.248 cw(c-50.06,40.248) -51.856,42.044 R41.2@-51.75,42.15 -51.05,42.15 ccw(c-51.05,44.3) -48.9,44.3 -48.9,44.9 cw(c-46.912,44.9) -46.912,46.888 -35.876,46.888 ccw(c-35.876,49.264) -33.5,49.264 -33.5,55.884 cw(c-30.442,55.884) -32.604,58.046 -30.515,60.135 cw(c-28.427,58.048) -28.427,61 -16.906,61 ccw(c-16.906,66.808) -12.799,62.701 -11.244,64.256 ccw(c-13.172,66.184) -10.446,66.184 -10.446,74.579 cw(c-8.092,74.579) -9.756,76.244 -9.25,76.75 cw(c-8.772,76.272) -8.772,76.948 MOD1.35@-8.5,76.948
GBAT: BAT1.2 C22.2 R31.1 T5.2 T5.3 U8.6 | length 26.4
  Bottom Layer w0.25: R31.1@41,30.35 39.95,30.35 ccw(c39.95,29.5) 39.1,29.5 39.1,26.1 ccw(c40,26.1) 40,25.2 41.798,25.2 ccw(c41.798,27.74) 43.594,25.944 C22.2@44.15,26.5 cw(c44.392,26.742) 44.05,26.742 U8.6@44.05,28.325
  Bottom Layer w1.2: BAT1.2@34,37.25 38.46,37.25 cw(c38.46,34.71) 41,34.71 41,32.937 cw(c40.025,32.925) 41,32.925 41,31.975 cw(c40.025,31.975) 41,31.963 R31.1@41,30.35
GND: C1.2 C2.2 C3.2 C4.2 C5.2 C6.2 C7.2 C8.2 C9.2 C10.2 C11.2 C12.1 C13.2 C14.1 C15.1 C16.2 C17.2 C18.2 C19.2 C20.2 C21.2 D1.3 D2.3 D3.3 D4.3 D5.3 D6.2 D14.2 D14.3 D15.2 J1.2 J1.4 J2.A1 J2.A12 J2.B1 J2.B12 J2.MH1 J2.MH2 J2.MH3 J2.MH4 MOD1.1 MOD1.15 MOD1.38 MOD1.39 P1.3 P1.4 P1.14 P2.1 P3.1 P4.2 P5.2 P6.2 P7.23 P7.24 P7.25 P9.5 R5.2 R16.2 R17.2 R22.2 R25.2 R26.2 R27.2 R28.2 R30.2 R31.2 R37.2 R38.2 R42.2 R47.2 SW2.2 SW3.2 SW4.3 T1.2 T4.2 T5.6 T5.7 T8.2 U1.3 U1.5 U1.6 U1.7 U1.8 U2.4 U3.5 U4.2 U4.25 U5.3 U5.9 U6.2 U7.2 | length 110
  Top Layer w0.25: v1(-25.45,15.1) D1.3@-23.95,15.1 ; D6.2@0,25.5 D15.2@0,27.25
  Top Layer w0.5: D2.3@-13.2,15.1 v1(-11.75,15.1) ; D3.3@-2.45,15.1 v1(-1.25,15.1) ; D4.3@8.3,15.1 v1(9.5,15.1) ; D5.3@19.05,15.1 v1(20.25,15.1)
  Top Layer w1: P7.23@18.415,3 18.415,6.086 cw(c19.329,6.086) 19.329,7 P7.24@21.59,7 23.851,7 cw(c23.851,6.086) 24.765,6.086 P7.25@24.765,3
  Bottom Layer w0.15: U1.3@-21,68.25 -21,67.75 ; P5.2@-17.79,67.08 ccw(c-18.2,66.67) -18.2,67.25 v1(-19.671,67.25) U1.6@-20.5,67.25 ; -21,67.25 -21,67.75 ; -21,67.25 U1.8@-21,66.75 -21,66.121 ccw(c-20.346,66.121) -20.809,65.659 C2.2@-20.4,65.25 cw(c-20.159,65.491) -20.5,65.491 U1.7@-20.5,66.75 U1.6@-20.5,67.25 ; -21,67.25 U1.6@-20.5,67.25 ; -21,67.75 U1.5@-20.5,67.75 U1.6@-20.5,67.25
  Bottom Layer w0.25: R16.2@-62.601,61.899 v1(-61.896,61.194) ; U4.2@-57.75,58.975 v1(-57.75,57) v1(-57,57) ; v1(-24.25,20.25) P9.5@-22.7,20.25 ; P1.14@7.312,49.45 7.596,49.45 ccw(c7.596,50.304) v1(8.2,49.7) ; P1.4@7.312,52.45 8.438,52.45 ccw(c8.438,52.962) v1(8.8,52.6) cw(c9.162,52.238) 9.162,52.75 P1.3@10.188,52.75 ; v1(46.452,43) R47.2@47.101,42.351
  Bottom Layer w0.3: U3.5@-30.023,69.316 -29.878,69.17 cw(c-30.548,68.5) v1(-29.6,68.5)
  Bottom Layer w0.5: SW4.3@-58.753,49.396 v1(-57.8,49.6) ; R37.2@-57.486,63.425 cw(c-57.211,63.7) -57.6,63.7 -57.6,63.9 cw(c-56.38,63.9) -57.243,64.763 J2.MH1@-56.691,65.315 ; v1(-55.5,36.2) -54.56,36.2 ccw(c-54.56,36.52) P3.1@-54.334,36.294 ; C15.1@-55.05,53 ccw(c-54.65,53) -54.65,52.6 v1(-53.95,52.6) ; v1(-53,55.15) C11.2@-53,56.15 ; C13.2@-51.65,59.25 v1(-50.65,59.25) ; C14.1@-51.3,61 ccw(c-51.3,61.2) -51.1,61.2 v1(-51.1,62.3) ccw(c-51.824,63.024) -50.8,63.024 D14.3@-50.8,63.8 D14.2@-50.8,64.75 ; C12.1@-51.25,55.8 v1(-50.05,55.8) ; v1(-50.25,33.15) R25.2@-50.25,34.15 ; R38.2@-49.675,71.236 v1(-49.2,72.1) ; v1(-48.75,33.15) R26.2@-48.75,34.15 ; U5.9@-45,32.75 -44.365,32.75 U5.3@-44.365,35.25 ; R22.2@-44.65,37.5 v1(-43.65,37.5) ; v1(-36.5,28.95) P4.2@-36.5,30.25 ; v1(-35.5,28.95) P4.2@-35.5,30.25 ; v1(-34.5,28.95) P4.2@-34.5,30.25 ; v1(-30.799,66.599) C3.2@-30.799,67.699 ; P2.1@-25.457,71.293 v1(-24.596,70.432) ; v1(-25,49.5) C20.2@-24.1,49.5 -23.94,49.66 ccw(c-25.604,51.325) U7.2@-23.25,51.325 ; v1(-25,55.5) C21.2@-24.1,55.5 ; v1(-23.737,69.613) C6.2@-23.101,70.249 ; v1(-21,49.5) C18.2@-20.1,49.5 -19.94,49.66 ccw(c-21.604,51.325) U6.2@-19.25,51.325 ; v1(-21,55.5) C19.2@-20.1,55.5 ; C2.2@-20.4,65.25 v1(-19.5,65.25) ; U2.4@-20.35,80.544 -19.549,79.743 cw(c-20.393,78.9) v1(-19.2,78.9) ; v1(-14.3,56.65) T4.2@-14.3,57.55 ; v1(-13.75,71.7) C1.2@-12.25,71.7 ; v1(-12.75,56.75) R28.2@-12.75,57.65 ; v1(-11.25,22.25) SW3.2@-10,22.25 ; v1(-9.9,80.758) MOD1.38@-8.5,80.758 v1(-7.1,80.758) ; v1(-8.5,48.25) R17.2@-8.5,49.15 ; R42.2@-4.75,50.85 v1(-4.75,51.75) ; T8.2@-3.2,50.95 v1(-3.2,51.85) ; D6.2@0,25.5 0,25.202 ccw(c2.54,25.202) 0.744,23.406 C7.2@0.9,23.25 ; R27.2@0,34.5 v1(0,35.5) ; v1(7.1,80.758) MOD1.1@8.5,80.758 v1(9.9,80.758) 10.528,80.758 ccw(c10.528,81.072) C9.2@10.75,80.85 v1(11.65,80.85) ; MOD1.15@8.5,62.978 v1(9.9,62.978) ; C4.2@9.6,55.5 v1(9.6,56.4) ; C8.2@13.35,75.75 v1(14.25,75.75) ; v1(14,80.3) 13.1,80.3 12.75,80.65 C10.2@12.75,80.7 12.75,80.75 13.1,81.1 v1(14,81.1) ; R5.2@21.5,78.35 v1(21.5,79.25) ; T1.2@23.05,78.45 v1(23.05,79.35) ; SW2.2@28.5,50 v1(28.5,51.4) ; v1(28.5,55.6) SW2.2@28.5,57 ; R30.2@44,35.35 v1(44,36.25)
  other v1: 40.5,27.7 41.5,27.7 40.1,28.7 41.9,28.7 -39.8,31.35 -47.4,32.05 -46.7,32.05 -43.3,32.05 -42.6,32.05 -39.8,32.05 -47.4,32.75 -46.7,32.75 -43.3,32.75 -42.6,32.75 -41.9,32.75 -41.2,32.75 -40.5,32.75 -39.8,32.75 -47.4,33.45 -46.7,33.45 -43.3,33.45 -42.6,33.45 -39.8,33.45 -39.8,34.15 -57.75,56.25 -57,56.25 -56.25,56.25 -56.25,57 -57.75,57.75 -57,57.75 -56.25,57.75 1,71.619 1,72.419 0.16,73.26 1,73.26 1.84,73.26 1,74.1 1,74.9
I2C.SCL: MOD1.36 P2.4 P6.4 P7.21 R10.2 U1.1 U2.6 U3.2 | length 223.3
  Top Layer w0.15: v1(-24,75.5) v1(-22.625,74.125) ; v1(-16.75,74.096) v1(-14.946,75.9) ; v1(6.5,79.218) 6.5,77.66 ccw(c7,77.5) 6.475,77.5 ccw(c7,77.5) 6.5,77.34 6.5,66.271 cw(c6,66.111) 6.525,66.111 cw(c6,66.111) 6.5,65.951 6.5,41.41 cw(c6,41.25) 6.5,41.09 6.5,21.052 ccw(c11.062,21.052) 7.836,17.826 9.761,15.902 cw(c8.459,14.6) 10.3,14.6 10.3,12.52 ccw(c12.62,12.52) 12.62,10.2 15.564,10.2 cw(c15.564,9.711) v1(15.909,10.057) 15.934,10.032 cw(c15.001,9.1) 16.32,9.1 16.32,8.283 cw(c15.637,8.283) 16.12,7.8 ccw(c16.711,7.209) 15.875,7.209 P7.21@15.875,3 ; v1(17.462,10.057) 19.807,10.057 ccw(c19.807,12.5) 22.25,12.5 22.25,14.448 cw(c24.79,14.448) 22.994,16.244 26.293,19.543 ; 26.293,19.543 ccw(c24.586,21.25) 26.295,19.545 27.148,20.398 ccw(c26.131,21.416) 27.546,21.154 ccw(c26.131,21.416) 27.57,21.416 27.571,21.424 27.607,21.62 ; 27.607,21.621 cw(c28.517,21.453) 27.608,21.622 cw(c29.058,21.354) 27.625,21.704 cw(c28.014,21.61) 27.626,21.706 cw(c29.058,21.354) 27.67,21.854 cw(c29.058,21.354) 27.712,21.957 ; 27.713,21.959 27.718,21.971 27.78,22.109 27.797,22.147 ; 27.798,22.148 cw(c28.641,21.768) 27.798,22.15 cw(c29.143,21.543) 27.846,22.246 ; 27.846,22.246 cw(c29.143,21.543) 27.856,22.264 cw(c29.143,21.543) 27.908,22.35 cw(c29.143,21.543) 27.927,22.378 cw(c28.69,21.855) 27.928,22.379 27.949,22.41 ; 27.949,22.41 27.987,22.465 ; 27.987,22.465 cw(c28.316,22.238) 27.988,22.466 ; 27.988,22.467 cw(c29.202,21.628) 28.028,22.521 cw(c29.202,21.628) 28.096,22.604 ; 28.097,22.605 28.164,22.682 cw(c28.858,22.07) 28.166,22.684 cw(c29.27,21.706) 28.218,22.739 cw(c29.27,21.706) 28.285,22.804 cw(c29.27,21.706) 28.358,22.865 ; 28.359,22.866 28.4,22.898 28.52,22.993 cw(c29.093,22.267) 28.523,22.995 cw(c29.433,21.834) 28.828,23.179 28.985,23.25 29.012,23.263 cw(c29.622,21.92) 29.355,23.37 ; 29.355,23.37 29.375,23.374 cw(c29.449,22.981) 29.376,23.374 29.554,23.407 ; 29.555,23.407 cw(c29.826,21.957) 29.823,23.432 29.923,23.433 cw(c29.929,21.958) 30.023,23.43 ; 30.025,23.43 30.638,23.391 30.744,23.388 ; 30.744,23.388 30.824,23.386 31.019,23.381 31.038,23.381 33.178,23.381 33.893,23.418 34.507,23.457 35.567,23.553 36.725,23.703 38.412,24.002 39.216,24.17 39.813,24.319 40.411,24.469 41.596,24.821 41.857,24.91 44.36,25.865 45.05,26.168 46.161,26.712 47.248,27.301 47.964,27.729 ; 47.965,27.73 48.049,27.78 48.347,27.96 48.708,28.197 48.827,28.275 ; 48.828,28.276 cw(c49.635,27.041) 48.854,28.292 cw(c49.067,27.953) 48.856,28.293 cw(c49.635,27.041) 48.913,28.327 48.979,28.364 50.677,30.062 ccw(c50.141,30.6) 50.9,30.6 50.9,31.248 cw(c53.84,31.248) 51.119,32.36 cw(c53.84,31.248) 51.761,33.326 ; 51.761,33.326 56.072,37.638 ; 56.072,37.638 ccw(c54.56,39.152) 56.444,38.138 56.563,38.399 ccw(c54.56,39.152) 56.7,39.152 56.7,42.693 cw(c58.807,42.693) 57.317,44.183 57.839,44.705 ccw(c55.76,46.783) 58.7,46.783 58.7,49.148 cw(c61.64,49.148) 59.561,51.227 60.01,51.676 ccw(c56.896,54.79) 61.3,54.79 61.3,63.734 ccw(c58.569,63.734) 60.5,65.666 58.995,67.171 ccw(c57.5,65.676) P6.4@57.5,67.79
  Bottom Layer w0.15: U3.2@-30.377,71.084 -30.074,71.386 cw(c-29.8,71.112) -29.8,71.5 -28.783,71.5 ccw(c-28.783,72.183) -28.3,71.7 -24.854,75.146 cw(c-24,74.293) v1(-24,75.5) ; P2.4@-23.336,73.414 -20.151,76.599 cw(c-19.424,75.871) -19.424,76.9 -19.236,76.9 cw(c-19.236,75.128) -17.983,76.381 U2.6@-17.854,76.252 -17.494,75.892 cw(c-19.29,74.096) v1(-16.75,74.096) -18.947,71.899 R10.2@-19.399,71.899 -19.399,70.676 cw(c-20.203,70.676) -19.634,70.107 -20.309,69.433 cw(c-20.75,69.874) -20.75,69.25 -21.146,69.25 ccw(c-21.146,68.396) -21.75,69 ccw(c-21.146,68.396) -22,68.396 U1.1@-22,68.25 ; v1(-14.946,75.9) -14.356,76.49 cw(c-10.184,72.317) -10.184,78.218 MOD1.36@-8.5,78.218 -6.622,78.218 ccw(c-6.622,79.522) -5.7,78.6 cw(c-4.976,77.876) -4.976,78.9 5.732,78.9 ccw(c5.732,79.986) v1(6.5,79.218) ; v1(15.909,10.057) v1(17.462,10.057)
I2C.SDA: MOD1.33 P2.3 P6.3 P7.22 R9.2 U1.4 U2.5 U3.4 | length 224.4
  Top Layer w0.15: v1(-11.6,74.408) v1(-7,74.408) ; v1(7,77.5) 7,21.114 ccw(c11.62,21.114) 8.353,17.847 10.029,16.171 cw(c8.459,14.6) 10.68,14.6 10.68,12.52 ccw(c12.6,12.52) 12.6,10.6 16.7,10.6 ; P7.22@17.145,3 17.145,7.209 ccw(c16.309,7.209) 16.9,7.8 cw(c17.383,8.283) 16.7,8.283 16.7,10.6 ; 27.347,22.12 ccw(c29.058,21.354) 27.294,21.99 ccw(c29.058,21.354) 27.237,21.802 ccw(c28.014,21.61) 27.236,21.798 ccw(c29.058,21.354) 27.214,21.695 ccw(c28.517,21.453) 27.214,21.693 ccw(c27.607,21.62) 27.214,21.692 27.202,21.628 27.179,21.504 27.178,21.496 cw(c25.966,21.496) 27.147,21.225 cw(c25.966,21.496) 26.823,20.639 22.494,16.31 ccw(c24.29,14.514) 21.844,15.2 ccw(c24.29,14.514) 21.75,14.514 21.75,12.5 cw(c19.85,12.5) 19.85,10.6 16.7,10.6 ; 27.347,22.121 cw(c28.077,21.795) 27.348,22.123 27.353,22.135 cw(c28.083,21.808) 27.354,22.136 27.415,22.272 27.433,22.311 cw(c27.797,22.147) 27.433,22.313 cw(c28.641,21.768) 27.434,22.314 cw(c29.143,21.543) 27.46,22.37 cw(c29.143,21.543) 27.494,22.436 ; 27.495,22.437 cw(c29.143,21.543) 27.507,22.459 cw(c27.856,22.264) 27.508,22.46 cw(c29.143,21.543) 27.559,22.547 cw(c29.143,21.543) 27.573,22.568 cw(c27.908,22.35) 27.574,22.57 cw(c29.143,21.543) 27.597,22.604 cw(c28.69,21.855) 27.598,22.606 ; 27.599,22.607 27.619,22.636 ; 27.62,22.637 27.658,22.692 ; 27.658,22.693 cw(c28.316,22.238) 27.659,22.694 ; 27.66,22.695 cw(c29.202,21.628) 27.709,22.763 cw(c28.028,22.521) 27.71,22.764 cw(c29.202,21.628) 27.795,22.869 cw(c28.396,22.34) 27.797,22.871 27.864,22.946 ; 27.865,22.947 cw(c28.858,22.07) 27.867,22.95 cw(c29.27,21.706) 27.931,23.019 cw(c28.218,22.739) 27.933,23.02 cw(c29.27,21.706) 28.017,23.101 ; 28.018,23.102 cw(c29.27,21.706) 28.111,23.18 cw(c28.606,22.551) 28.112,23.181 28.152,23.212 28.273,23.307 ; 28.273,23.307 cw(c29.093,22.267) 28.277,23.31 cw(c29.433,21.834) 28.415,23.409 cw(c29.433,21.834) 28.594,23.511 cw(c29.433,21.834) 28.664,23.544 28.82,23.615 cw(c29.151,22.887) 28.823,23.616 28.847,23.627 cw(c29.622,21.92) 29.281,23.763 cw(c29.427,22.977) 29.283,23.764 29.301,23.767 cw(c29.449,22.981) 29.304,23.768 29.479,23.8 cw(c29.627,23.014) 29.481,23.8 cw(c29.725,22.498) 29.482,23.801 cw(c29.826,21.957) 29.822,23.832 ; 29.824,23.832 29.92,23.833 cw(c29.929,21.958) 30.048,23.829 ; 30.051,23.829 30.302,23.813 30.656,23.79 30.753,23.788 cw(c30.734,22.988) 30.755,23.788 30.833,23.786 31.029,23.781 31.043,23.781 33.167,23.781 33.87,23.818 34.476,23.856 35.523,23.951 36.665,24.099 38.336,24.395 39.126,24.56 39.716,24.707 40.305,24.855 41.474,25.202 41.72,25.287 44.208,26.235 44.882,26.531 45.978,27.067 47.05,27.649 47.758,28.072 cw(c48.169,27.386) 47.76,28.074 47.843,28.123 48.134,28.299 48.488,28.531 cw(c48.928,27.863) 48.491,28.533 48.606,28.609 cw(c49.046,27.94) 48.609,28.61 ; 48.609,28.611 cw(c49.635,27.041) 48.642,28.632 cw(c49.067,27.953) 48.645,28.633 cw(c49.635,27.041) 48.717,28.676 48.735,28.686 50.393,30.344 cw(c50.677,30.062) 50.394,30.345 ; 50.395,30.346 ccw(c50.141,30.6) 50.5,30.6 50.5,31.248 cw(c53.84,31.248) 50.748,32.51 cw(c51.119,32.36) 50.749,32.513 cw(c53.84,31.248) 51.477,33.609 ; 51.479,33.61 55.788,37.92 ; P6.3@54.96,67.79 55.406,67.344 ccw(c56.851,68.789) 56.851,66.745 57.942,66.745 cw(c57.942,64.542) 59.5,66.1 60.217,65.383 cw(c58.569,63.734) 60.9,63.734 60.9,54.79 cw(c56.896,54.79) 59.727,51.959 59.278,51.51 ccw(c61.64,49.148) 58.3,49.148 58.3,46.783 cw(c55.76,46.783) 57.556,44.987 57.034,44.466 ccw(c58.807,42.693) 56.3,42.693 56.3,39.152 cw(c54.56,39.152) 56.193,38.552 56.086,38.316 cw(c54.56,39.152) 55.79,37.921
  Bottom Layer w0.15: U3.4@-29.316,70.023 -26.983,72.356 cw(c-25.187,70.56) -25.187,73.1 -24.991,73.1 cw(c-24.991,71.759) P2.3@-24.043,72.707 cw(c-23.21,73.54) -24.388,73.54 ; -24.388,73.54 cw(c-23.37,73.677) -24.096,74.404 -21.544,76.956 cw(c-19.748,75.16) -19.748,77.7 -18.102,77.7 cw(c-18.102,76.262) U2.5@-17.085,77.279 ; U1.4@-20.5,68.25 -19.744,69.006 cw(c-19.399,68.661) R9.2@-19.399,69.149 -15.817,72.731 ccw(c-17.186,74.1) -15.25,74.1 -15.25,74.408 ; U2.5@-17.085,77.279 U2.5@-16.956,77.15 -15.916,76.11 cw(c-17.529,74.498) -15.25,74.408 ; v1(-11.6,74.408) -15.25,74.408 ; MOD1.33@-8.5,74.408 v1(-7,74.408) -5.79,74.408 ccw(c-5.79,75.698) -4.5,75.698 -4.5,77 cw(c-3.432,77) -3.432,78.068 5.63,78.068 cw(c5.63,76.13) v1(7,77.5)
LCD.LED_K: R6.2 R43.2 T8.3 | length 3.5
  Bottom Layer w0.25: T8.3@-0.8,50 -0.721,50 -0.166,49.446 ccw(c0.305,49.918) 0.306,49.25 R43.2@0.9,49.25 R6.2@0.9,50.75